# KiCad board zak180.kicad_pcb (continued)
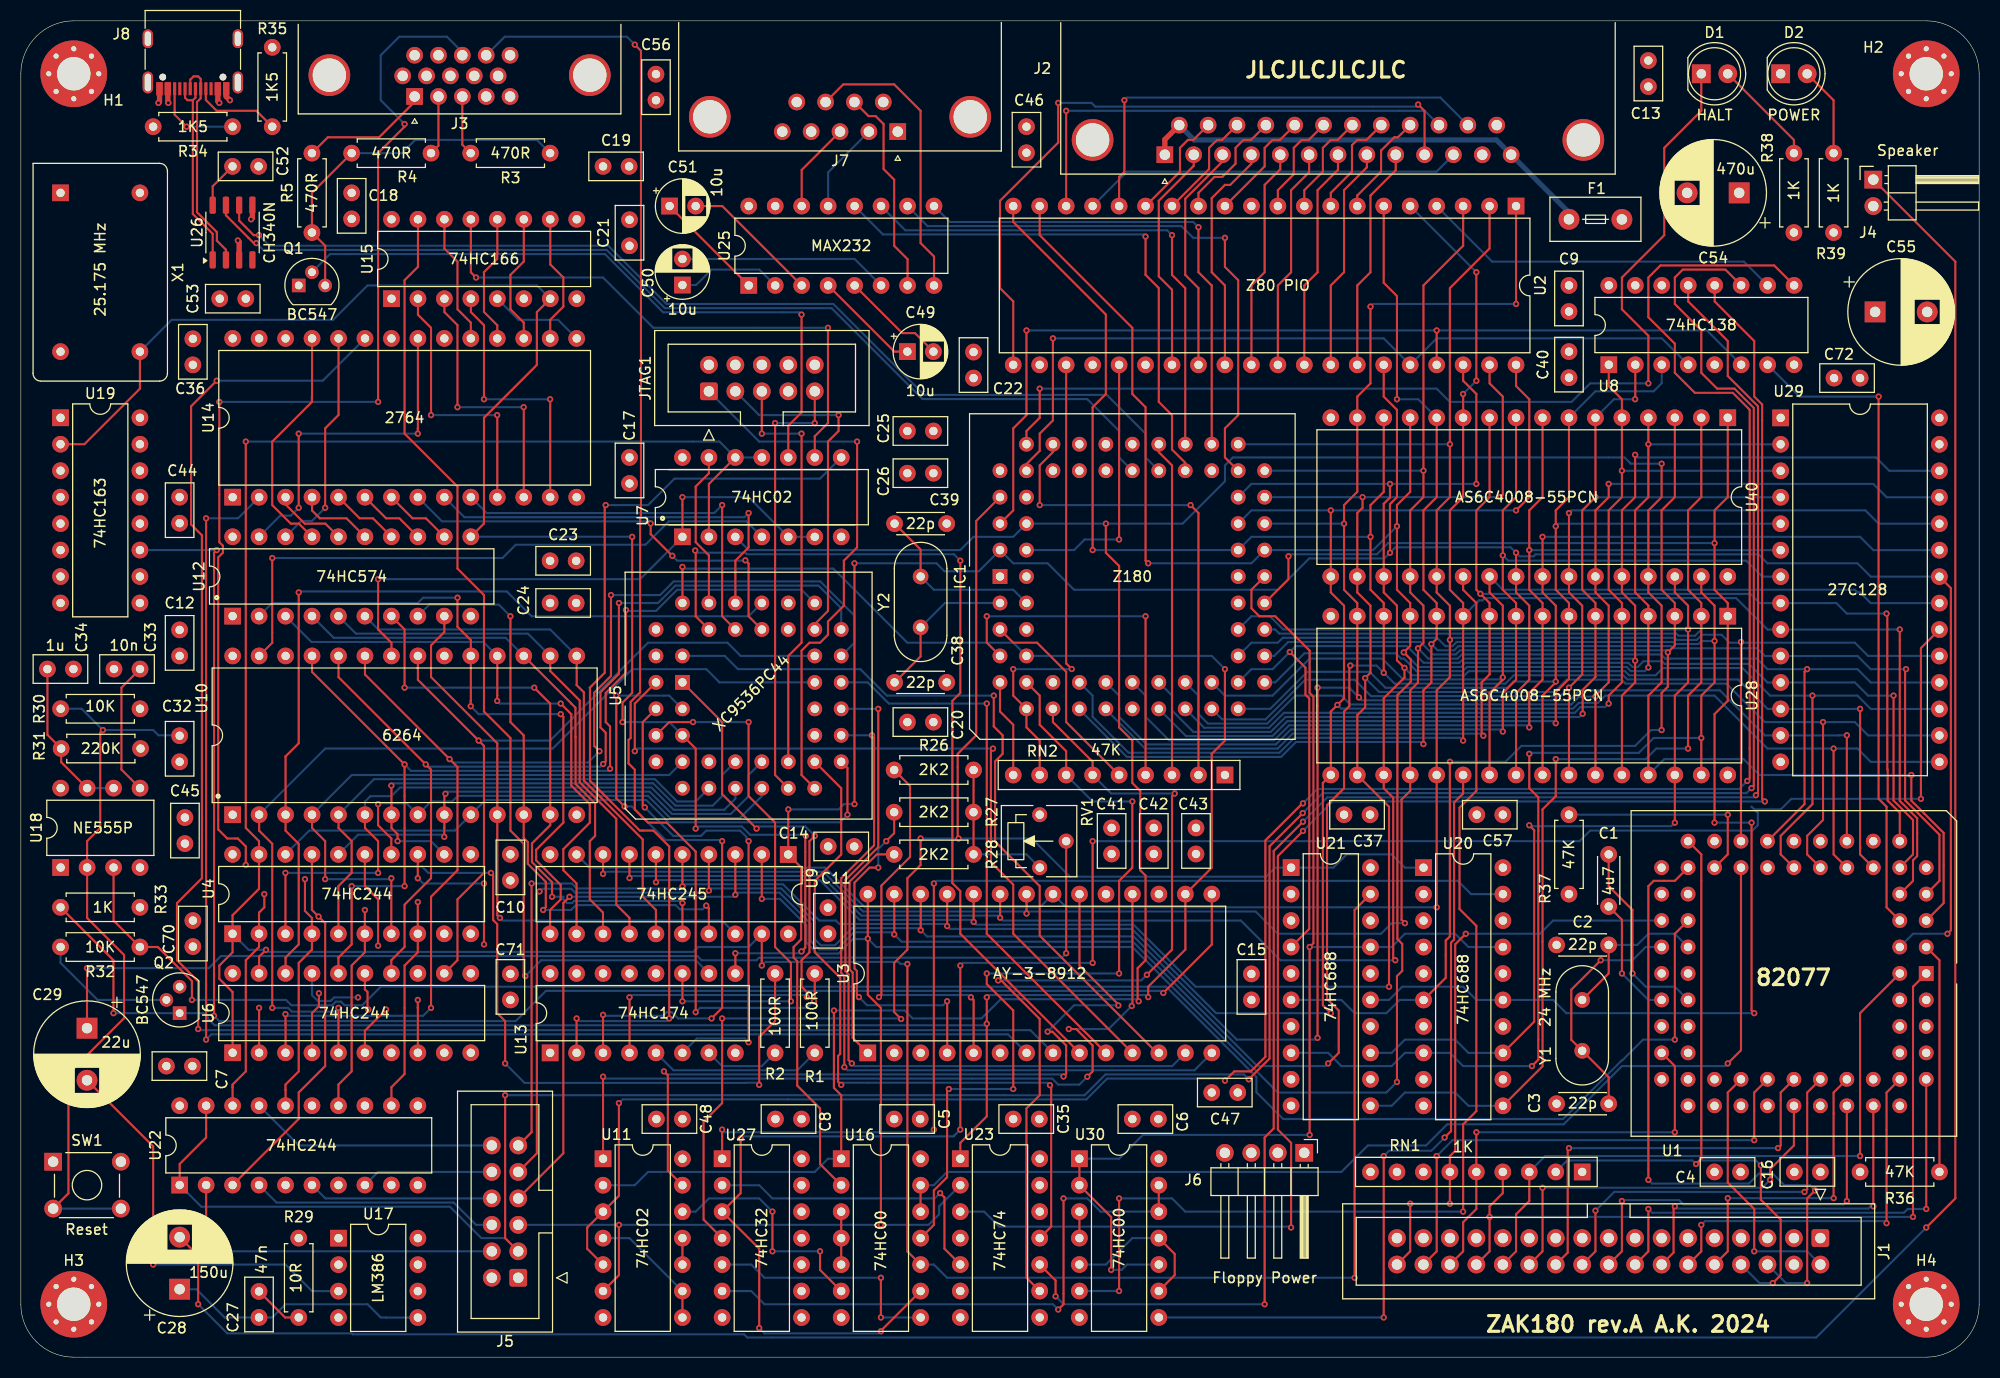
[diagram p0: board, top side]
## Routing (per net, layer and track width the routed paths; a pad name or vN(x,y) marks a point on that pad's centre or on a via; arc(x,y) is an arc through that point) (continued)
  Top w0.2: 60.95,40.63 60.95,42.93 59.69,44.2 59.69,49.7 54.04,55.35 54.04,63.81 53.34,64.52 53.35,64.53 U10.15
  Bottom w0.2: 33.02,71.13 34.3,69.85 50.81,69.85 U10.15
/vga/GD4: length 51.7
  Top w0.2: U10.16 50.81,65.86 53.64,63.03 53.64,55.19 57.15,51.68 57.15,43.43 58.41,42.17 U9.14
  Bottom w0.2: U10.16 48.67,69.45 32.16,69.45 U12.5
/vga/GD5: length 52.2
  Top w0.2: U10.17 52.83,62.75 52.83,62.74 53.23,62.34 53.23,59.54 53.24,59.53 53.24,55.02 55.12,53.14 55.12,50.04 54.61,49.53 54.61,43.94 55.87,42.68 55.87,40.63
  Bottom w0.2: U10.17 46.53,69.05 30.02,69.05 U12.4
/vga/GD6: length 57.3
  Top w0.2: v1(45.72,62.99) 45.72,63.5 45.73,63.51 U10.18 ; 53.33,40.63 53.33,45.47 52.07,46.74 52.07,48.77 54.61,51.31 54.61,53.09 52.83,54.86 52.83,61.72 v1(51.82,62.74)
  Bottom w0.2: U10.18 44.39,68.65 27.88,68.65 25.4,71.13 ; v1(45.72,62.99) 45.97,62.74 v1(51.82,62.74)
/vga/GD7: length 63.4
  Top w0.2: v1(43.18,62.48) 43.18,62.99 43.19,63 U10.19 43.19,68.82 41.91,70.1 v1(41.91,72.9) ; v1(51.82,61.72) 52.07,61.47 52.07,51.31 49.46,48.7 49.46,47.68 51.82,45.33 51.82,43.94 50.79,42.92 U9.11
  Bottom w0.2: U12.2 24.12,72.39 38.1,72.39 38.61,72.9 v1(41.91,72.9) ; v1(43.18,62.48) 43.94,61.72 v1(51.82,61.72)
/vga/HSYNC: length 7.4
  Bottom w0.2: U13.7 67.31,27.94 71.12,27.94 R2.1
/vga/ROW0: length 37.5
  Top w0.2: U5.36 67.31,71.12 v1(67.31,81.79)
  Bottom w0.2: v1(67.31,81.79) 66.55,81.03 44.71,81.03 U14.10
/vga/ROW1: length 39.3
  Top w0.2: v1(69.85,81.03) 69.85,77.72 68.58,76.45 U5.35
  Bottom w0.2: v1(69.85,81.03) 69.45,80.63 42.57,80.63 U14.9
/vga/ROW2: length 41.9
  Top w0.2: v1(60.45,80.03) 60.45,78.99 v1(62.53,76.92) ; v1(69.54,76.49) 69.85,76.18 69.85,71.12 U5.34
  Bottom w0.2: U14.8 40.43,80.23 60.25,80.23 v1(60.45,80.03) ; v1(62.53,76.92) 62.99,76.45 69.51,76.45 v1(69.54,76.49)
/vga/ROW3: length 84.1
  Top w0.2: 25.4,36.84 25.4,38.35 25.4,38.35 26.67,39.62 26.67,49.28 25.41,50.54 U10.3 25.41,57.65 25.4,57.66 26.67,58.93 v1(26.67,73.41)
  Bottom w0.2: v1(26.67,73.41) 26.76,73.5 46.64,73.5 49.02,71.12 69.85,71.12 U5.33
/vga/ROW4: length 95.6
  Top w0.2: v1(31.75,45.21) 31.75,39.62 30.48,38.35 30.48,38.35 U6.16 ; v1(56.55,56.48) 56.55,60.54 56.13,60.96 56.13,63.75 58.07,65.69 v1(58.07,71.72) ; v1(36.83,45.21) v1(36.83,56.9) 27.95,65.78 U10.25
  Bottom w0.2: v1(58.07,71.72) 58.17,71.63 60.96,71.63 62.99,73.66 74.93,73.66 U5.29 ; v1(36.83,45.21) v1(31.75,45.21) ; v1(36.83,56.9) 37.45,56.28 56.35,56.28 v1(56.55,56.48)
/vga/ROW5: length 94.4
  Top w0.2: v1(57.4,72.39) 57.4,65.59 55.63,63.81 55.63,60.45 56.13,59.94 56.13,57.18 v1(55.89,56.94) ; U6.14 35.56,36.85 35.56,38.1 36.83,39.37 36.83,43.43 39.37,45.97 39.37,56.39 v1(38.86,56.9) 30.49,65.27 U10.24
  Bottom w0.2: v1(38.86,56.9) 39.08,56.68 55.64,56.68 v1(55.89,56.94) ; U5.28 78.74,71.88 76.56,74.06 62.83,74.06 61.16,72.39 v1(57.4,72.39)
/vga/ROW6: length 71.3
  Top w0.2: U10.21 38.11,65.01 v1(43.94,59.18) 44.45,58.67 44.45,46.48 41.91,43.94 41.91,38.1 U6.12
  Bottom w0.2: U5.27 69.09,67.31 67.82,68.58 60.2,68.58 50.8,59.18 v1(43.94,59.18)
/vga/ROW7: length 117.1
  Top w0.2: v1(56.64,73.15) 56.64,65.39 55.03,63.78 55.03,58.67 v1(55.53,58.17) ; U10.23 33.03,65.52 v1(41.15,57.4) 41.91,56.64 41.91,46.74 39.37,44.2 v1(39.37,33.53) ; v1(25.4,32.93) 25.4,32.01 25.4,32.01 25.4,29.22
  Bottom w0.2: v1(39.37,33.53) 38.61,32.77 25.56,32.77 v1(25.4,32.93) ; v1(55.53,58.17) 54.45,57.08 41.47,57.08 v1(41.15,57.4) ; U5.26 80.01,68.58 80.01,71.18 76.73,74.46 62.66,74.46 61.35,73.15 v1(56.64,73.15)
/vga/ROW8: length 89.7
  Top w0.2: v1(30.48,33.53) 30.48,33.52 U6.5 ; U10.2 22.87,50.54 24.13,49.28 v1(24.13,33.53)
  Bottom w0.2: v1(30.48,33.53) 30.12,33.17 26.01,33.17 25.65,33.53 v1(24.13,33.53) ; U5.25 67.06,64.77 65.79,66.04 58.67,66.04 51.05,58.42 29.22,58.42 U10.2
/vga/VSYNC: length 16.6
  Bottom w0.2: R1.1 74.53,27.54 62.63,27.54 U13.5
/vga/~{LOAD}: length 96.8
  Top w0.2: U15.15 38.11,104.66 36.83,103.38 36.83,88.65 41.91,83.57 41.91,75.69 44.45,73.15 44.45,61.98 46.99,59.44 46.99,50.55 48.26,49.28 48.26,36.74 v1(48.42,36.58)
  Bottom w0.2: U13.10 64.77,38.1 49.95,38.1 v1(48.42,36.58)
Net-(C27-Pad1): length 25
  Bottom w0.2: U17.5 35.06,3.8 35.05,3.81 34.54,3.81 33.27,5.08 25.4,5.08 24.13,3.81 C27.1 19.56,3.81 16.85,6.52 C28.1
Net-(C27-Pad2): length 4.8
  Top w0.2: R29.2 25.36,3.81 C27.2
Net-(C29-Pad1): length 111.4
  Top w0.2: v1(6.35,37.34) C29.1 ; RV1.2 v1(100.33,38.77)
  Bottom w0.2: v1(6.35,37.34) 18.03,37.34 19.2,38.5 64.94,38.5 65.34,38.1 70.61,38.1 70.85,38.34 99.9,38.34 v1(100.33,38.77)
Net-(D1-A): length 10.3
  Top w0.2: D1.2 170.18,116.84 R38.2
Net-(D2-A): length 8.7
  Top w0.2: D2.2 173.99,120.65 R39.2
Net-(IC1-CKA0/~{DREQ0}): length 32.3
  Top w0.2: RN2.3 110.49,85.6 109.22,86.87 IC1.50
Net-(IC1-EXTAL): length 17.3
  Top w0.2: C39.2 86.36,77.51 Y2.2
  Bottom w0.2: IC1.4 95.25,73.66 87.63,73.66 Y2.2
Net-(IC1-XTAL): length 14.9
  Top w0.2: Y2.1 86.36,67.27 C38.2
  Bottom w0.2: IC1.3 88.7,72.39 Y2.1
Net-(IC1-~{BUSREQ}): length 34.8
  Top w0.2: v1(107.95,71.12) RN2.4 ; v1(92.71,71.12) 92.71,68.58 IC1.7
  Bottom w0.2: v1(92.71,71.12) v1(107.95,71.12)
Net-(IC1-~{DREQ1}): length 47.1
  Top w0.2: v1(112.27,81.79) 113.03,81.03 RN2.2 ; IC1.58 99.06,86.87 97.79,85.6 v1(97.79,81.79)
  Bottom w0.2: v1(112.27,81.79) v1(97.79,81.79)
Net-(IC1-~{INT2}): length 82.2
  Top w0.2: IC1.12 99.06,60.96 102.87,57.15 RN2.6 ; v1(108.08,36.7) 110.49,39.12 110.49,53.85 v1(110.74,54.1) ; U23.9 96.52,7.62 96.52,23.88 97.79,25.15 97.79,32.46 94.09,36.16 v1(93.81,36.16)
  Bottom w0.2: RN2.6 104.65,54.1 v1(110.74,54.1) ; v1(93.81,36.16) 107.53,36.16 v1(108.08,36.7)
Net-(IC1-~{MREQ}): length 144.1
  Top w0.2: v1(86.36,49.78) 86.36,47.24 85.09,45.97 85.09,39.12 83.82,37.85 83.82,33.13 v1(84.49,32.46) ; IC1.63 91.69,80.26 91.69,59.69 89.92,57.91 89.92,49.88 v1(90.01,49.78) ; U27.4 65.53,13.2 65.53,22.61 67.31,24.38 v1(67.31,32.51)
  Bottom w0.2: v1(86.36,49.78) v1(90.01,49.78) 97.03,49.78 100.69,46.12 119.53,46.12 120.4,46.99 U21.1 125.98,46.99 127.25,48.26 131.57,48.26 132.85,46.98 U20.1 ; v1(84.49,32.46) 84.44,32.51 v1(67.31,32.51)
Net-(J1-Pin_2): length 25
  Top w0.2: v1(166.37,10.16) 166.37,14.22 163.83,16.76 163.83,25.4 U1.49
  Bottom w0.2: J1.2 171.45,10.16 v1(166.37,10.16)
Net-(J1-Pin_6): length 63.7
  Top w0.2: v1(171.45,7.11) 171.45,15.24 v1(172.21,16) ; U1.28 158.75,45.72 156.72,45.72 156.21,45.21 v1(156.21,17.02)
  Bottom w0.2: v1(156.21,17.02) 156.57,16.66 165.86,16.66 166.82,17.62 168.14,17.62 169.25,16.51 171.7,16.51 v1(172.21,16) ; J1.6 169.42,7.11 v1(171.45,7.11)
Net-(J1-Pin_8): length 68.5
  Top w0.2: v1(167,18.41) 167,15.11 168.91,13.21 168.91,7.87 v1(168.15,7.11) ; v1(160.78,18.54) 161.29,19.05 161.29,48.26 U1.26
  Bottom w0.2: v1(167,18.41) 166.54,18.88 161.12,18.88 v1(160.78,18.54) 160.44,18.88 148.42,18.88 RN1.2 ; v1(168.15,7.11) 166.88,7.11 J1.8
Net-(J1-Pin_10): length 29
  Top w0.2: U1.57 173.99,25.4 v1(173.99,15.26) ; J1.10 163.83,10.16 v1(163.83,15.26)
  Bottom w0.2: v1(173.99,15.26) v1(163.83,15.26)
Net-(J1-Pin_12): length 36.7
  Top w0.2: v1(179.07,12.86) 179.07,25.4 U1.62 ; v1(161.29,12.7) 161.29,10.16 J1.12
  Bottom w0.2: v1(179.07,12.86) 178.87,13.06 161.65,13.06 v1(161.29,12.7)
Net-(J1-Pin_14): length 35
  Top w0.2: v1(158.75,14.48) 158.63,14.36 158.63,10.04 J1.14 ; U1.58 v1(177.8,14.48)
  Bottom w0.2: v1(158.75,14.48) 158.97,14.26 177.33,14.26 177.55,14.48 v1(177.8,14.48)
Net-(J1-Pin_16): length 45.3
  Top w0.2: U1.61 v1(182.88,14.22) ; v1(156.21,14.22) 156.21,10.16 J1.16
  Bottom w0.2: v1(156.21,14.22) 156.57,13.86 180.74,13.86 181.1,14.22 v1(182.88,14.22)
Net-(J1-Pin_18): length 37.7
  Top w0.2: J1.18 153.67,10.16 v1(153.67,14.99) ; U1.56 v1(175.26,14.99)
  Bottom w0.2: v1(153.67,14.99) 153.76,15.08 159.17,15.08 159.58,14.66 174.94,14.66 v1(175.26,14.99)
Net-(J1-Pin_20): length 37.9
  Top w0.2: J1.20 151.13,10.16 v1(151.13,14.06) ; v1(171.2,15.86) 171.45,16.12 171.45,25.4 U1.55
  Bottom w0.2: v1(151.13,14.06) 152.93,15.86 v1(171.2,15.86)
Net-(J1-Pin_22): length 39
  Top w0.2: v1(148.59,20.07) 148.47,19.95 148.47,10.04 J1.22 ; U1.53 168.91,25.4 168.91,20.32 v1(168.66,20.07)
  Bottom w0.2: v1(168.66,20.07) v1(148.59,20.07)
Net-(J1-Pin_24): length 38.1
  Top w0.2: v1(167.89,17.02) 167.89,18.03 170.18,20.32 U1.52 ; v1(146.05,16.26) 146.05,10.16 J1.24
  Bottom w0.2: v1(146.05,16.26) 146.06,16.26 167.14,16.26 v1(167.89,17.02)
Net-(J1-Pin_26): length 61.4
  Top w0.2: RN1.3 144.78,14.99 143.51,13.72 143.51,10.16 J1.26 ; U1.2 176.53,33.02 v1(176.53,19.3)
  Bottom w0.2: v1(176.53,19.3) 146.3,19.3 RN1.3
Net-(J1-Pin_28): length 74.5
  Top w0.2: RN1.4 142.24,15.75 140.97,14.48 v1(140.97,13.46) 140.97,10.16 J1.28 ; v1(181.61,13.46) 181.61,35.56 U1.1
  Bottom w0.2: v1(181.61,13.46) v1(140.97,13.46)
Net-(J1-Pin_30): length 40.9
  Top w0.2: v1(139.7,21.59) RN1.5 139.7,14.22 138.43,12.95 138.43,10.16 J1.30 ; v1(158.75,21.59) 158.75,27.94 U1.41
  Bottom w0.2: v1(158.75,21.59) v1(139.7,21.59)
Net-(J1-Pin_32): length 48.4
  Top w0.2: J1.32 135.89,10.16 v1(135.89,19.3) ; v1(166.37,20.83) 166.37,25.4 U1.51
  Bottom w0.2: v1(166.37,20.83) 137.41,20.83 v1(135.89,19.3)
Net-(J1-Pin_34): length 56
  Top w0.2: v1(137.16,14.73) RN1.6 137.16,19.3 137.67,19.81 137.67,39.62 v1(138.68,40.64) ; J1.34 133.35,10.16 v1(133.35,14.73)
  Bottom w0.2: v1(138.68,40.64) 145.8,40.64 147.07,41.91 U1.31 ; v1(133.35,14.73) v1(137.16,14.73)
Net-(J2-P14): length 44.9
  Top w0.5: J2.1 109.8,116.88 J2.14
  Bottom w0.2: 148.59,109.87 F1.1
  Bottom w0.5: 148.59,109.87 J2.13 141.62,116.84 112.6,116.84 J2.14
Net-(J2-P15): length 10.6
  Top w0.2: J2.15 112.53,116.84 112.01,116.84 111.25,116.08 111.25,113.79 U2.15
Net-(J2-P16): length 10.6
  Top w0.2: J2.16 115.3,116.84 114.81,116.84 114.05,116.08 114.05,114.05 U2.14
Net-(J2-P17): length 11.3
  Top w0.2: U2.13 113.03,111.76 114.55,113.28 115.32,113.28 116.59,114.55 116.59,116.08 117.35,116.84 118.07,116.84 J2.17
Net-(J2-P18): length 11
  Top w0.2: U2.12 119.38,114.3 119.38,116.08 120.14,116.84 120.84,116.84 J2.18
Net-(J2-P19): length 10
  Top w0.2: U2.10 120.65,112.01 122.17,113.54 122.17,116.08 122.94,116.84 123.61,116.84 J2.19
Net-(J2-P20): length 10.1
  Top w0.2: J2.20 126.38,116.84 125.73,116.84 124.97,116.08 124.97,113.79 123.19,112.01 U2.9
Net-(J2-P21): length 10.3
  Top w0.2: J2.21 129.15,116.84 128.27,116.84 127.76,116.33 127.76,113.79 125.73,111.76 U2.8
Net-(J2-P22): length 10.1
  Top w0.2: U2.7 128.27,111.51 130.56,113.79 130.56,115.82 131.83,117.09 132.18,117.09 J2.22
Net-(J2-P23): length 45.5
  Top w0.2: v1(100.33,119.63) U2.18
  Bottom w0.2: v1(100.33,119.63) 134.74,119.63 J2.23
Net-(J2-P24): length 44.5
  Top w0.2: U2.16 105.41,113.28 105.92,113.79 v1(105.92,120.65)
  Bottom w0.2: J2.24 136.24,120.9 106.17,120.9 v1(105.92,120.65)
Net-(J3-Pad1): length 11.9
  Top w0.2: 37.79,120.5 34.39,117.09 29.46,117.09 R5.2
Net-(J3-Pad2): length 5.2
  Top w0.2: R4.2 40.08,116.28 40.08,120.5
Net-(J3-Pad3): length 5.3
  Top w0.2: R3.2 42.37,116.38 42.37,120.5
Net-(J3-Pad13): length 185.7
  Top w0.2: v1(34.29,91.69) 34.29,115.57 36.83,118.11 v1(36.83,118.36) ; v1(70.87,26.14) 70.87,30.73 72.39,32.26 R2.2 ; v1(19.05,91.69) 19.05,78.23 19.4,77.89 19.4,77.22 18.94,76.77 18.94,50.65 19.81,49.78 20.83,49.78 21.59,49.02 v1(21.59,47.24) ; v1(46.48,28.19) 46.48,32.26 45.72,33.02 45.72,41.57 45.33,41.96 45.33,46.28 v1(45.13,46.48)
  Bottom w0.2: v1(19.05,91.69) v1(34.29,91.69) ; v1(70.87,26.14) 70.67,26.34 69.6,26.34 69.58,26.32 48.35,26.32 v1(46.48,28.19) ; v1(21.59,47.24) 21.75,47.08 38.52,47.08 39.12,46.48 v1(45.13,46.48) ; v1(36.83,118.36) 34.54,120.65 34.54,124.97 36.32,126.75 40.89,126.75 42.37,125.26 J3.13
Net-(J3-Pad14): length 127.1
  Top w0.2: v1(64.77,33.11) 64.77,48.53 61.99,51.31 60.2,51.31 58.93,52.58 58.93,56.39 58.33,56.99 58.33,59.24 58.53,59.44 58.53,62.9 59.44,63.81 59.44,80.52 59.52,80.6 59.52,125.39 v1(58.93,125.98) ; R1.2 76.2,34.23 v1(76.13,34.16)
  Bottom w0.2: v1(58.93,125.98) 58.17,126.75 46.44,126.75 J3.14 ; v1(76.13,34.16) 76.07,34.16 75.44,33.53 65.19,33.53 v1(64.77,33.11)
Net-(J4-Pin_1): length 283.7
  Top w0.2: C28.2 17.02,9.74 v1(17.02,5.08) ; v1(182.88,12.45) 185.67,15.24 185.67,105.16 J4.1
  Bottom w0.2: v1(17.02,5.08) 19.81,2.29 31.75,2.29 31.84,2.19 69.42,2.19 69.73,1.89 172.32,1.89 v1(182.88,12.45)
Net-(J5-Pin_4): length 33.8
  Top w0.2: U22.2 17.78,10.16 v1(17.78,10.16)
  Bottom w0.2: J5.4 v1(17.78,10.16)
Net-(J5-Pin_6): length 23.9
  Bottom w0.2: J5.6 43.69,12.7 41.55,14.84 24.54,14.84 U22.4
Net-(J5-Pin_8): length 17.8
  Bottom w0.2: J5.8 29.22,15.24 U22.6
Net-(J5-Pin_10): length 12.7
  Bottom w0.2: U22.8 34.28,17.78 J5.10
Net-(J5-Pin_12): length 23.9
  Bottom w0.2: U22.17 26.68,20.32 J5.12
Net-(J8-CC1): length 8.5
  Top w0.2: R35.1 22.61,119.63 18.8,119.63 17.76,120.67 J8.A5
Net-(J8-CC2): length 8.5
  Top w0.2: v1(15.91,118.11) 14.76,119.26 J8.B5
  Bottom w0.2: v1(15.91,118.11) R34.1
Net-(JTAG1-Pin_1): length 52.8
  Top w0.2: v1(80.26,87.88) 80.26,77.72 78.99,76.45 78.99,72.14 77.47,70.61 77.47,69.34 76.71,68.58 75.69,68.58 74.93,67.82 74.93,55.88 U5.17
  Bottom w0.2: v1(80.26,87.88) 70.87,87.88 JTAG1.1
Net-(JTAG1-Pin_3): length 32.4
  Top w0.2: U5.30 76.2,70.36 77.47,71.63 77.47,87.88 78.49,88.9 v1(78.49,90.42)
  Bottom w0.2: JTAG1.3 70.87,90.42 v1(78.49,90.42)
Net-(JTAG1-Pin_5): length 39.9
  Top w0.2: U5.16 73.66,67.31 74.93,68.58 v1(74.93,88.65) ; v1(71.12,88.65) JTAG1.5
  Bottom w0.2: v1(74.93,88.65) v1(71.12,88.65)
Net-(JTAG1-Pin_9): length 42.4
  Top w0.2: v1(72.39,89.66) 72.39,55.88 U5.15 ; v1(76.2,89.66) JTAG1.9
  Bottom w0.2: v1(72.39,89.66) v1(76.2,89.66)
Net-(Q1-B): length 64.4
  Top w0.2: U7.10 73.66,89.41 74.93,90.68 v1(74.93,100.08)
  Bottom w0.2: Q1.2 29.68,105.88 56.06,105.88 61.64,100.29 74.71,100.29 v1(74.93,100.08)
Net-(Q1-E): length 34.9
  Top w0.2: Q1.3 29.21,106.68 R5.1 27.94,111.76 R4.1
  Bottom w0.2: R3.1 49.53,116.84 37.85,116.84 36.58,115.57 R4.1
Net-(Q2-B): length 13.8
  Bottom w0.2: 14.45,34.13 14.29,33.97 Q2.2 7.37,34.29 3.81,37.85 R32.2
Net-(R26-Pad2): length 15
  Top w0.2: R28.2 R27.2 R26.2
  Bottom w0.2: R28.2 96.52,48.26 RV1.1
Net-(U1-HIFIL): length 18.8
  Top w0.2: C1.2 152.4,45.21 154.69,42.93 v1(154.69,36.83)
  Bottom w0.2: U1.38 158.75,35.56 155.96,35.56 v1(154.69,36.83)
Net-(U1-LOFIL): length 11.8
  Top w0.2: v1(153.67,36.83) 153.67,41.99 C1.1
  Bottom w0.2: U1.37 156.21,34.29 v1(153.67,36.83)
Net-(U1-X1): length 22.8
  Top w0.2: v1(151.64,38.1) 148.81,35.27 148.81,30.46 Y1.1 152.4,26.87 C3.2
  Bottom w0.2: v1(151.64,38.1) 154.69,38.1 155.96,39.37 U1.33
Net-(U1-X2): length 14.9
  Top w0.2: Y1.2 152.4,36.83 C2.2
  Bottom w0.2: C2.2 155.14,39.57 156.21,40.64 158.75,40.64 U1.34
Net-(U2-BRDY): length 67.9
  Top w0.2: v1(134.11,120.23) 134.73,119.62 J2.10 ; U2.21 95.25,101.35 93.98,102.62 93.98,111 99.57,116.59 v1(99.57,120.4)
  Bottom w0.2: v1(134.11,120.23) 134.11,120.14 134,120.03 103.12,120.03 102.76,120.4 v1(99.57,120.4)
Net-(U2-PB0): length 22.1
  Top w0.2: J2.2 112.57,114.35 109.22,111 109.22,103.73 110.49,102.46 U2.27
Net-(U2-PB1): length 22.2
  Top w0.2: J2.3 115.34,114.77 111.76,111.19 111.76,103.89 113.03,102.62 U2.28
Net-(U2-PB2): length 22.6
  Top w0.2: J2.4 118.11,114.55 116.08,112.52 115.57,112.52 114.3,111.25 114.3,104.14 115.57,102.87 U2.29
Net-(U2-PB3): length 21.3
  Top w0.2: J2.5 120.88,114.02 119.38,112.52 119.38,104.14 118.11,102.87 U2.30
Net-(U2-PB4): length 21.4
  Top w0.2: U2.31 120.65,102.87 121.92,104.14 121.92,112.01 123.65,113.74 J2.6
Net-(U2-PB5): length 21.5
  Top w0.2: U2.32 123.19,102.87 124.46,104.14 124.46,112.01 126.42,113.97 J2.7
Net-(U2-PB6): length 21.6
  Top w0.2: U2.33 125.73,102.87 127,104.14 127,112.01 129.19,114.2 J2.8
Net-(U2-PB7): length 21.7
  Top w0.2: U2.34 128.27,102.87 129.54,104.14 129.54,111.51 131.96,113.93 J2.9
Net-(U2-~{BSTB}): length 36.7
  Bottom w0.2: U2.17 106.17,113.79 135.87,113.79 J2.11
Net-(U3-BC1): length 75.7
  Top w0.2: v1(61.72,27.43) 62.1,27.05 62.1,17.91 U11.13 ; U3.20 101.61,37.58 105.34,33.85 v1(105.34,33.76) ; v1(100.08,26.94) 100.33,27.19 100.33,29.92 99.01,31.24 v1(98.55,31.24)
  Bottom w0.2: v1(100.08,26.94) 99.88,27.14 62.01,27.14 v1(61.72,27.43) ; v1(105.34,33.76) 105.32,33.78 101.09,33.78 v1(98.55,31.24)
Net-(U3-BDIR): length 78.9
  Top w0.2: U3.18 106.69,33.78 v1(106.62,33.72) ; v1(100.58,31.5) 101.29,31.5 102.87,29.92 102.87,27.43 v1(102.36,26.92) ; v1(55.88,26.92) U11.1
  Bottom w0.2: v1(55.88,26.92) 56.06,26.74 98.99,26.74 99.57,26.16 101.6,26.16 v1(102.36,26.92) ; v1(100.58,31.5) 104.4,31.5 v1(106.62,33.72)
Net-(U3-ch_A): length 38.1
  Top w0.2: v1(91.19,34.54) 91.45,34.28 U3.5 ; R26.1 85.34,54.84 85.34,48.01 82.59,45.26 82.59,34.79 v1(82.37,34.56)
  Bottom w0.2: v1(82.37,34.56) 82.57,34.76 90.97,34.76 v1(91.19,34.54)
Net-(U3-ch_B): length 34.4
  Top w0.2: v1(82.3,46.99) 81.45,46.99 80.01,45.55 80.01,37.31 80.24,37.08 80.24,34.76 v1(80.44,34.56) ; v1(88.9,34.16) 88.91,34.15 U3.4 ; v1(83.06,49.53) 83.82,50.29 R27.1
  Bottom w0.2: v1(83.06,49.53) 82.3,48.77 82.3,46.74 v1(82.3,46.99) ; v1(80.44,34.56) 81.22,33.78 88.52,33.78 v1(88.9,34.16)
Net-(U3-ch_C): length 22.5
  Top w0.2: U3.1 79.84,30.65 79.84,36.92 79.54,37.22 79.54,45.64 82.16,48.26 R28.1
Net-(U5-M8-Pad37): length 15
  Top w0.2: U7.13 66.04,84.84 64.77,83.57 64.77,78.23 66.04,76.96 U5.37
Net-(U10-~{OE}): length 56.9
  Top w0.2: v1(34.29,74.68) 34.29,69.85 35.57,68.57 U10.22 ; v1(63.5,82.55) U7.1
  Bottom w0.2: v1(63.5,82.55) 69.85,82.55 U7.5 U7.6 ; v1(34.29,74.68) 59.44,74.68 U7.1
Net-(U10-~{WR}): length 59
  Top w0.2: U10.27 24.13,68.57 v1(24.13,76.71)
  Bottom w0.2: v1(24.13,76.71) 46.23,76.71 47.5,77.98 59.94,77.98 62.19,80.23 69.63,80.23 U7.4
Net-(U11-Pad4): length 12.3
  Top w0.2: U11.9 U11.8
  Bottom w0.2: U11.4 58.42,11.42 U11.9
Net-(U11-Pad10): length 2.5
  Top w0.2: U11.10 U11.11
Net-(U11-Pad12): length 22.7
  Top w0.2: v1(76.71,10.16) 76.71,8.38 U16.6 ; v1(72.14,13.97) v1(72.14,10.16)
  Bottom w0.2: v1(72.14,13.97) 70.87,15.24 66.04,15.24 64.76,13.96 U11.12 ; v1(72.14,10.16) v1(76.71,10.16)
Net-(U12-Q0): length 32.6
  Top w0.2: 38.11,97.78 38.11,89.16 38.1,89.15 v1(38.1,88.65) ; v1(26.67,81.53) v1(26.67,88.65)
  Bottom w0.2: v1(26.67,88.65) v1(38.1,88.65) ; U12.19 24.89,80.77 25.91,80.77 v1(26.67,81.53)
Net-(U12-Q1): length 21.7
  Top w0.2: v1(29.21,81.53) 29.21,89.15 30.49,90.43 30.49,97.78
  Bottom w0.2: v1(29.21,81.53) 27.94,80.26 26.92,80.26 25.4,78.75
Net-(U12-Q2): length 22.7
  Top w0.2: U12.17 26.68,80.01 25.91,80.01 24.13,81.79 24.13,87.88 27.94,91.69 27.94,92.2 27.95,92.21 27.95,97.78
Net-(U12-Q3): length 7.1
  Top w0.2: U14.3 25.41,81.85 27.25,80.01 29.22,80.01 U12.16
Net-(U12-Q4): length 7.4
  Top w0.2: 33.02,78.75 31.26,80.52 28.7,80.52 27.95,81.27 U14.4
Net-(U12-Q5): length 6.6
  Top w0.2: U14.5 32.52,80.52 33.8,80.52 U12.14
Net-(U12-Q6): length 6.6
  Top w0.2: U14.6 35.06,80.52 36.34,80.52 38.1,78.75
Net-(U12-Q7): length 6.6
  Top w0.2: U12.12 38.88,80.52 37.6,80.52 U14.7
Net-(U13-D0): length 60.5
  Top w0.2: U13.3 v1(55.88,32.86) ; v1(57.94,52.86) 57.15,53.66 v1(57.15,63.5) ; v1(67.31,49.53) 67.31,33.53 v1(66.29,32.51)
  Bottom w0.2: v1(57.94,52.86) 58.64,52.86 61.87,49.64 67.2,49.64 v1(67.31,49.53) ; v1(55.88,32.86) 55.97,32.77 61.64,32.77 61.98,33.11 62.48,33.11 63.08,32.51 v1(66.29,32.51) ; v1(57.15,63.5) 62.23,63.5 U5.3
Net-(U13-D1): length 61.8
  Top w0.2: v1(70.61,50.74) 67.31,54.04 67.31,60.96 U5.1 ; v1(76.2,50.04) 75.69,49.53 75.69,38.86 74.93,38.1 74.93,35.56 75.44,35.05 v1(75.44,34.56) ; v1(58.42,34.54) U13.4
  Bottom w0.2: v1(75.44,34.56) 75.24,34.76 58.64,34.76 v1(58.42,34.54) ; v1(76.2,50.04) 75.3,50.94 70.81,50.94 v1(70.61,50.74)
Net-(U13-D2): length 48.3
  Top w0.2: U5.2 59.69,60.96 59.69,52.97 v1(59.88,52.77) ; v1(69.85,49.53) v1(69.85,30.23)
  Bottom w0.2: v1(69.85,30.23) 69.49,30.59 64.88,30.59 U13.6 ; v1(69.85,49.53) 69.64,49.74 69.64,49.94 69.04,50.54 65.78,50.54 65.28,50.04 62.62,50.04 v1(59.88,52.77)
Net-(U13-D3): length 51
  Top w0.2: v1(73.91,34.16) 73.91,37.85 72.39,39.37 72.39,51.31 69.85,53.85 v1(69.85,60.96) ; v1(64.52,60.96) 62.23,60.96 U5.4 ; v1(63.5,34.16) U13.11
  Bottom w0.2: v1(64.52,60.96) v1(69.85,60.96) ; v1(63.5,34.16) v1(73.91,34.16)
Net-(U14-D0): length 25.9
  Top w0.2: v1(39.37,90.42) 39.37,98.81 38.11,100.06 U15.2 ; v1(45.72,90.42) 45.73,90.41 U14.11
  Bottom w0.2: v1(39.37,90.42) v1(45.72,90.42)
Net-(U14-D1): length 25.9
  Top w0.2: v1(48.26,91.19) 48.27,91.18 U14.12 ; v1(41.91,91.19) 41.91,99.06 40.65,100.31 U15.3
  Bottom w0.2: v1(41.91,91.19) v1(48.26,91.19)
Net-(U14-D2): length 25.9
  Top w0.2: U14.13 50.81,91.94 v1(50.8,91.95) ; U15.4 43.19,100.31 44.45,99.06 v1(44.45,91.95)
  Bottom w0.2: v1(44.45,91.95) v1(50.8,91.95)
Net-(U14-D3): length 9.2
  Bottom w0.2: 53.35,97.78 51.57,99.57 47.77,99.57 U15.5
Net-(U14-D4): length 12.5
  Top w0.2: U15.10 50.81,104.89 52.07,103.63 52.07,100.84 50.8,99.57 50.81,99.56 50.81,97.78
Net-(U14-D5): length 12.5
  Top w0.2: 48.27,97.78 48.27,99.3 46.99,100.58 46.99,103.89 48.27,105.17 U15.11
Net-(U14-D6): length 12.5
  Top w0.2: 45.73,97.78 45.73,99.05 44.45,100.33 44.45,104.14 45.72,105.41 45.72,105.92 45.73,105.93 U15.12
Net-(U14-D7): length 12.5
  Top w0.2: 43.19,97.78 43.19,99.3 41.91,100.58 41.91,105.16 40.65,106.41 U15.14
Net-(U15-Qh): length 54.5
  Top w0.2: v1(43.69,103.63) 43.19,104.12 U15.13 ; v1(77.47,98.81) 77.47,89.66 76.2,88.39 U7.9
  Bottom w0.2: v1(43.69,103.63) 55.88,103.63 60.71,98.81 v1(77.47,98.81)
Net-(U16-Pad3): length 5.1
  Top w0.2: U16.3 U16.4 U16.5
Net-(U16-Pad8): length 23.4
  Top w0.2: v1(82.55,7.62) v1(82.55,3.81)
  Bottom w0.2: v1(82.55,3.81) 83.82,3.81 83.82,3.8 U16.8 ; v1(82.55,7.62) 71.37,7.62 70.11,8.88 U27.5
Net-(U17-+): length 39.2
  Top w0.2: v1(12.7,8.89) 12.7,20.23 C29.2
  Bottom w0.2: U17.3 27.95,6.34 25.4,8.89 v1(12.7,8.89)
Net-(U18-CV): length 12.9
  Top w0.2: U18.5 9.65,56.41 9.65,64.26 C33.1
Net-(U18-DIS): length 15.5
  Top w0.2: U18.7 3.87,57.11 R31.2 2.55,59.74 C34.1
  Bottom w0.2: U18.7 U18.6
Net-(U18-TR): length 69.8
  Top w0.2: SW1.2 4.57,15.73 4.57,27.2 9.91,32.53 9.91,38.61 6.36,42.15 U18.2 6.36,49.54 7.62,50.8 7.62,59.94 v1(7.87,60.2)
  Bottom w0.2: C32.1 15.2,59.69 13.21,59.69 12.7,60.2 v1(7.87,60.2) 5.83,62.24 R30.2 ; SW1.2 SW1.2
Net-(U20-P=R): length 102.2
  Top w0.2: v1(67.31,21.84) U27.1 ; v1(87.63,21.84) v1(87.63,45.47)
  Bottom w0.2: 142.25,44.45 139.2,44.45 137.92,45.72 87.88,45.72 v1(87.63,45.47) ; v1(67.31,21.84) 67.56,21.59 87.38,21.59 v1(87.63,21.84)
Net-(U23A-Q): length 29.3
  Top w0.2: U23.5 88.65,10.41 88.65,15.33 v1(88.23,15.75)
  Bottom w0.2: v1(88.23,15.75) 87.72,15.24 72.14,15.24 70.87,16.51 U27.2
Net-(U25-C1+): length 10.8
  Top w0.2: U25.1 62.27,110.47 C51.1
Net-(U25-C1-): length 13.3
  Top w0.2: U25.3 67.32,110.49 C51.2
Net-(U25-C2+): length 10.2
  Top w0.2: C49.1 83.83,96.52 U25.4
Net-(U25-C2-): length 10.2
  Top w0.2: C49.2 85.81,98.3 84.6,98.3 U25.5
Net-(U25-R1IN): length 8.8
  Bottom w0.2: 81.39,117.64 77.48,113.73 U25.13
Net-(U25-R2IN): length 28.2
  Top w0.2: J7.8 78.94,122.17 83.82,122.17 86.36,119.63 86.36,106.93 87.64,105.65 U25.8
Net-(U25-T1OUT): length 8.7
  Top w0.2: J7.3 74.94,113.96 U25.14
Net-(U25-T2OUT): length 20.1
  Top w0.2: J7.7 81.36,119.13 82.04,119.13 82.8,118.36 82.8,114.05 83.82,113.03 83.82,106.68 85.1,105.39 U25.7
Net-(U25-VS+): length 10.2
  Bottom w0.2: U25.2 70.88,104.39 66.29,104.39 64.81,102.91 C50.1
Net-(U25-VS-): length 20.1
  Bottom w0.2: U25.6 80.02,105.41 C50.2
Net-(U26-UD+): length 19
  Top w0.2: J8.A6 16.76,120.9 16.51,120.65 ; 16.51,120.65 16,120.65 15.76,120.89 J8.B6 ; 16.51,120.65 16.51,109.73 18.41,107.82 U26.1
Net-(U26-UD-): length 20.8
  Top w0.2: J8.A7 16.26,122.62 16.57,122.94 17.02,122.94 17.26,122.69 J8.B7 17.26,120.83 16.91,120.48 16.91,109.89 18.81,107.99 18.81,107.17 19.68,106.3 U26.2
Net-(U26-V3): length 4.5
  Top w0.2: U26.8 18.41,112.39 C52.1
Net-(U28-CE#): length 79.2
  Top w0.2: v1(130.81,19.3) v1(130.81,3.81) ; U28.22 138.43,54.1 137.56,53.23 137.56,40.08 137.27,39.79 137.27,21.7 v1(136.65,21.08)
  Bottom w0.2: v1(130.81,3.81) U30.8 ; v1(130.81,19.3) 131.32,19.81 135.38,19.81 v1(136.65,21.08)
Net-(U30-Pad3): length 2.5
  Top w0.2: U30.3 U30.4
Net-(U30-Pad11): length 15
  Top w0.2: U30.11 110.74,9.91 110.74,7.87 U30.9
  Bottom w0.2: U30.11 106.68,11.43 104.14,8.89 U30.5
Net-(U40-CE#): length 109.6
  Top w0.2: v1(105.41,15.24) v1(105.41,6.35) ; 138.43,74.94 138.43,73.66 139.7,72.39 139.7,54.36 138.08,52.74 138.08,43.02 139.7,41.4 139.7,23.62 138.43,22.35 v1(138.43,13.97)
  Bottom w0.2: v1(138.43,13.97) 111.76,13.97 110.49,15.24 v1(105.41,15.24) ; v1(105.41,6.35) U30.6

## Copper pours and planes (outline as drawn; the poured copper is in the pictures)
GND on In1.Cu: -27.43,148.84 -23.11,-8.38 217.93,-17.02 227.33,152.65
VCC on In2.Cu: -43.94,175.51 -30.48,-22.61 252.22,-33.78 216.92,161.29

## Text on the board
F.Silkscreen: 74HC574 | 6264 | 74HC02 | JLCJLCJLCJLC | ZAK180 rev.A A.K. 2024 | 82077
